# Altium PCB board_layout.pcbdoc (part 2 of 3)
Units mm, origin at the board's own origin, x right, y up, seen from the top; angles counter-clockwise.
Board outline 92.15 x 89.13 mm, 2 copper layers (Top Layer, Bottom Layer), stack 1.59 mm thick; 164 components, 134 nets, 736 pads, 476 vias.
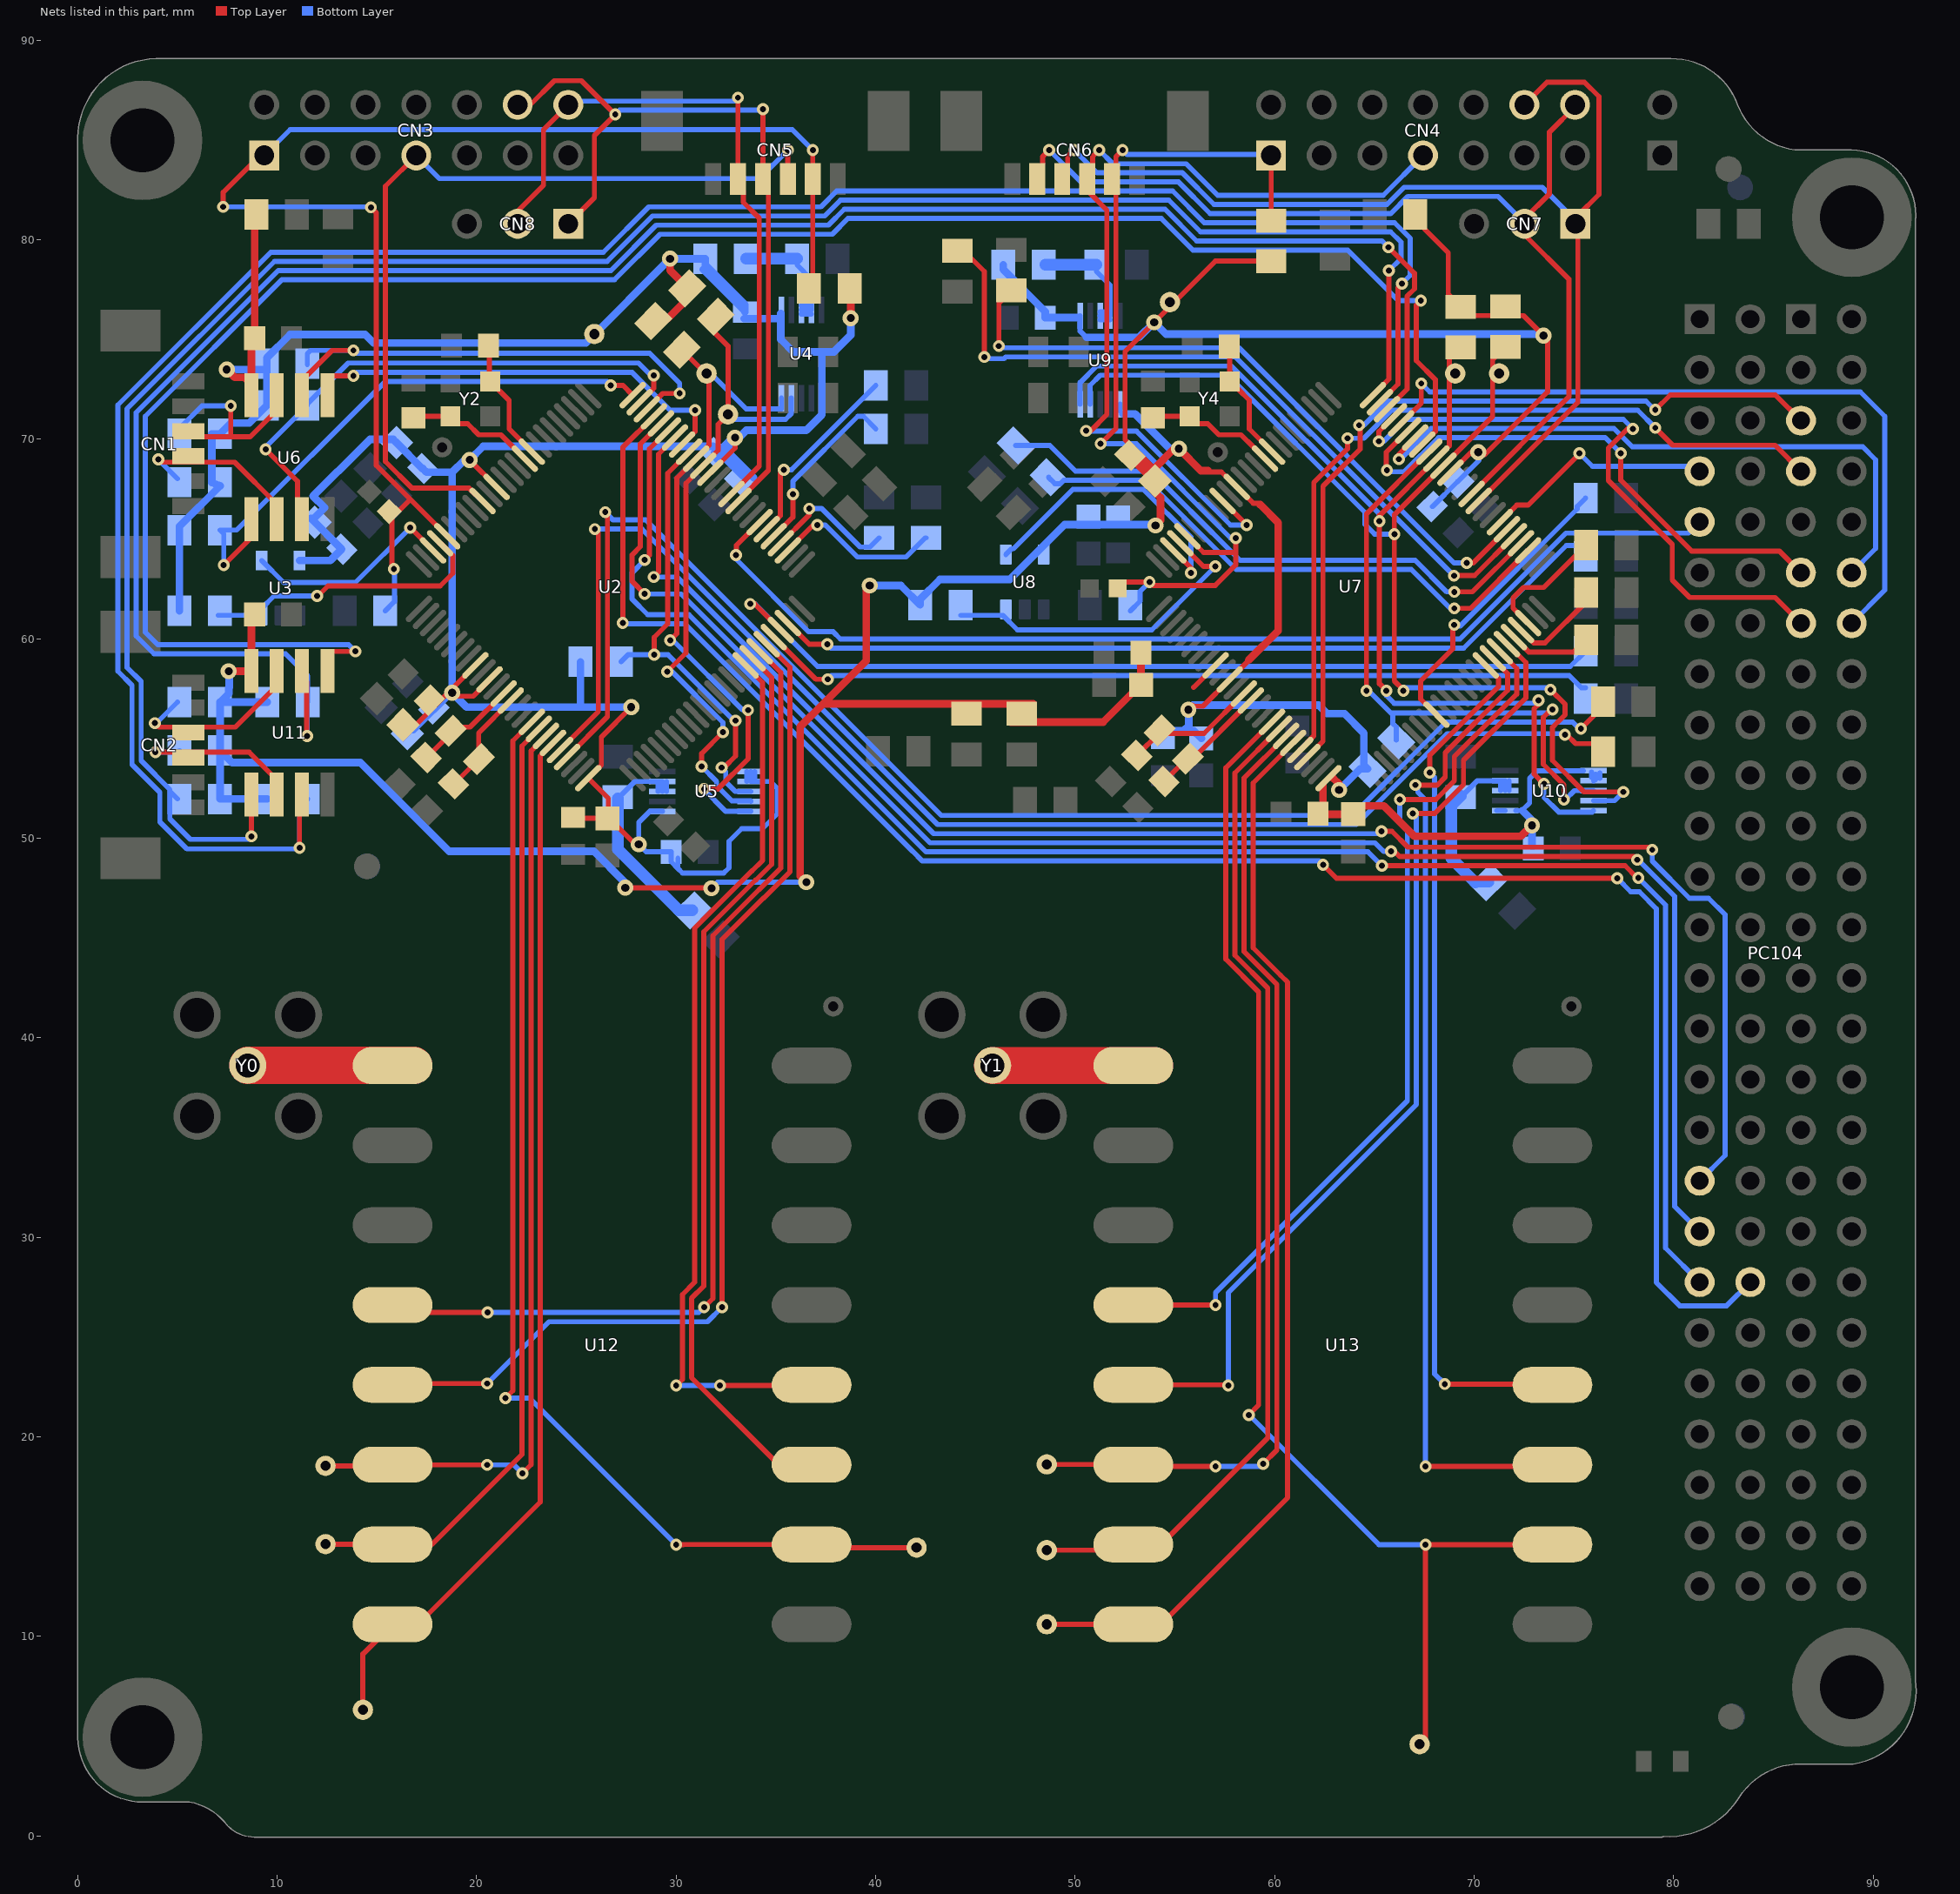
[diagram p2: the nets of this part, all layers, seen from the top]

## Via types
v1: diameter 0.8, hole 0.4, Top Layer to Bottom Layer, tented both sides, 278 vias
v2: diameter 0.6, hole 0.3, Top Layer to Bottom Layer, tented both sides, 181 vias
v3: diameter 1.2, hole 0.6, Top Layer to Bottom Layer, tented both sides, 10 vias
v4: diameter 0.8, hole 0.4, Top Layer to Bottom Layer, 5 vias
v5: diameter 1.016, hole 0.508, Top Layer to Bottom Layer, 1 vias
v6: diameter 0.8, hole 0.4, Top Layer to Bottom Layer, tented top, 1 vias

## Nets (pads, with @x,y where several pads share a name; then routed paths per layer and width w, separated by ;. In a path a pad name is that pad's centre, name@x,y a point inside that pad or via, vN(x,y) a via of type N, cw(c..) or ccw(c..) an arc to the next point about the centre after c; other vN are vias at no path point) (continued)
RA_0_I2C_ANT_EN: R13.1 U2.75 U6.1 | length 28.7
  Top Layer w0.254: v2(7.325,63.7) 8.71,65.085 U6.1@8.71,65.997 ; v2(26.725,72.7) 27.336,72.7 U2.75@27.824,72.213
  Bottom Layer w0.254: v2(7.325,63.7) 7.325,65.266 R13.1@7.141,65.45 7.975,65.45 15.416,72.891 26.534,72.891 v2(26.725,72.7)
RA_0_I2C_ANT_READY: U2.68 U6.5 | length 22.1
  Top Layer w0.254: U6.5@12.52,72.202 12.52,72.952 12.743,73.175 v2(13.826,73.175) ; U2.68@30.298,69.738 30.952,70.391 v2(30.952,71.453)
  Bottom Layer w0.254: v2(13.826,73.175) 13.999,73.348 27.802,73.348 29.697,71.453 v2(30.952,71.453)
RA_0_I2C_ANT_SCL: R14.1 U2.74 U6.3 | length 27.5
  Top Layer w0.254: v2(9.425,69.5) 11.027,67.898 11.027,66.22 U6.3@11.25,65.997 ; U2.74@28.177,71.859 28.875,72.557 v2(28.875,73.2)
  Bottom Layer w0.254: v2(9.425,69.5) 9.425,69.609 R14.1@11.516,71.7 11.516,71.775 13.565,73.823 28.115,73.823 28.738,73.2 v2(28.875,73.2)
RA_0_I2C_ANT_SCL_BUF: CN1.4 R15.1 U6.2 | length 9
  Top Layer w0.254: v2(4.05,69) 4.2,68.85 7.877,68.85 9.98,66.747 U6.2@9.98,65.997
  Bottom Layer w0.254: v2(4.05,69) 4.05,68.984 R15.1@5.009,68.025
RA_0_I2C_ANT_SDA: R16.1 U2.73 U6.6 | length 26.4
  Top Layer w0.254: U6.6@11.25,72.202 11.25,72.952 12.751,74.454 v2(13.826,74.454) ; U2.73@28.531,71.506 29.325,72.3 v2(30.175,72.3)
  Bottom Layer w0.254: R16.1@11.516,73.75 R16.1@11.516,73.8 11.516,74.291 11.679,74.454 v2(13.826,74.454) 13.969,74.311 28.671,74.311 30.175,72.807 v2(30.175,72.3)
RA_0_I2C_ANT_SDA_BUF: CN1.3 R17.1 U6.7 | length 10.6
  Top Layer w0.254: CN1.3@5.55,70.402 5.827,70.125 7.675,70.125 ; v2(7.675,71.675) 7.675,70.125 ; U6.7@9.98,72.202 9.98,71.452 8.652,70.125 7.675,70.125
  Bottom Layer w0.254: R17.1@5.009,70.45 6.234,71.675 v2(7.675,71.675)
RA_0_I2C_SENSE_SCL: R10.1 TP4.1 U2.66 U4.5 U5.5 | length 34.8
  Top Layer w0.254: v2(29.701,59.928) 30.036,60.262 30.036,68.061 U2.66@31.006,69.031 31.006,69.059 31.645,69.698 31.645,72.895 31.875,73.125 31.646,73.125 R10.1@30.286,74.486 ; v2(31.4,52.475) 32.091,52.475 33.605,53.989 33.605,56.424 v2(33.603,56.426)
  Bottom Layer w0.254: v2(29.701,59.928) 29.838,59.928 33.318,56.449 33.626,56.449 v2(33.603,56.426) ; v2(31.4,52.475) 31.363,52.475 32.488,51.35 U5.5@33.738,51.35 ; TP4.1@31.525,73.3 31.735,73.3 33.51,71.525 35.275,71.525 U4.5@35.275,72.062
RA_0_I2C_SENSE_SDA: R9.1 TP3.1 U2.65 U4.4 U5.4 | length 33.3
  Top Layer w0.254: v2(29.551,58.353) 30.493,59.294 30.493,67.799 31.359,68.665 U2.65@31.359,68.677 31.359,68.705 32.102,69.448 32.102,70.752 TP3.1@32.6,71.25 32.6,74.675 31.925,75.35 31.925,75.425 R9.1@32.336,75.835 ; v2(31.275,53.6) 31.275,54.25 v2(32.35,55.325)
  Bottom Layer w0.254: v2(29.551,58.353) 29.674,58.475 32.345,55.804 32.345,55.33 v2(32.35,55.325) ; v2(31.275,53.6) 32.03,52.845 32.03,52.641 32.791,51.88 33.738,51.88 U5.4@33.738,51.85 ; TP3.1@32.6,71.25 32.85,71 35.484,71 35.775,71.291 U4.4@35.775,72.062 ; TP3.1@32.7,71.425 TP3.1@32.738,71.388
RA_0_JTAG_TCK: CN3.7 CN5.3 U2.91 | length 43.2
  Top Layer w0.254: CN3.7@16.975,84.225 15.432,82.682 15.432,68.881 16.764,67.549 19.626,67.549 20.265,66.909 U2.91@20.293,66.909 ; CN5.3@35.6,82.7 CN5.3@35.6,83.05 v2(35.6,84.5)
  Bottom Layer w0.254: CN3.7@16.975,84.225 18.133,83.067 34.167,83.067 v2(35.6,84.5)
RA_0_JTAG_TDO_TDI: C6.2 CN3.1 CN5.2 R1.1 R8.1 U2.96 | length 70.4
  Top Layer w0.254: v2(7.3,81.65) 7.3,82.375 9.125,84.2 CN3.1@9.33,84.2 ; v2(14.7,81.625) 14.975,81.35 14.975,68.692 16.675,66.992 ; v2(15.85,63.5) 15.925,63.5 15.75,63.675 15.75,66.067 16.675,66.992 ; U2.96@18.525,65.142 16.675,66.992 ; v2(36.85,84.5) CN5.2@36.85,83.05 36.85,78.093 R1.1@37.016,77.928
  Bottom Layer w0.254: v2(7.3,81.65) 14.675,81.65 v2(14.7,81.625) ; CN3.1@9.355,84.225 10.655,85.525 35.825,85.525 v2(36.85,84.5) ; R8.1@15.416,61.4 15.888,61.872 15.888,63.462 v2(15.85,63.5)
RA_0_MR_WDOG: R7.2 U2.97 U3.3 | length 14.6
  Top Layer w0.254: v2@12.025,62.125 12.55,62.65 18.175,62.65 18.811,63.286 18.811,64.177 18.214,64.774 18.158,64.774 U2.97@18.172,64.788
  Bottom Layer w0.254: R7.2@7.041,61.175 U3.3@9.225,61.175 9.225,61.525 9.85,62.15 v2(12,62.15)
RA_0_PC104_ADD_GPIO3: J_P14.1 U2.46 | length 41.9
  Top Layer w0.254: U2.46@34.895,60.086 37.005,57.975 v2(37.6,57.975)
  Bottom Layer w0.254: v2(37.6,57.975) 37.786,58.161 74.764,58.161 75.375,57.55 J_P14.1@75.584,57.55
RA_0_PC104_ADD_GPIO4: J_P9.1 U2.47 | length 46.1
  Top Layer w0.254: v2(33.712,61.75) 33.938,61.75 U2.47@35.248,60.439
  Bottom Layer w0.254: v2(33.712,61.75) 33.957,61.75 37.089,58.618 74.818,58.618 75.584,59.384 J_P9.1@75.584,59.925
RA_0_PC104_ADD_GPIO5: J_P10.1 U2.48 | length 42.6
  Top Layer w0.254: U2.48@35.602,60.793 36.67,59.725 v2(37.575,59.725)
  Bottom Layer w0.254: v2(37.575,59.725) 37.575,59.71 37.753,59.532 69.478,59.532 74.621,64.675 J_P10.1@75.584,64.675
RA_0_RADIO_DOWNLINK_LED: R5.2 U2.56 | length 9.7
  Top Layer w0.254: U2.56@34.541,65.495 35.22,66.174 35.22,68.295 v2(35.4,68.475)
  Bottom Layer w0.254: v2(35.4,68.475) 35.784,68.475 R5.2@40.009,72.7
RA_0_RADIO_GPIO0: U2.44 U12.13 | length 50.8
  Top Layer w0.254: U12.13@15.79,26.61 16.163,26.237 v2(20.55,26.237) ; v2(31.4,26.5) 31.843,26.943 31.843,45.125 34.173,47.456 34.19,47.456 35.243,48.509 35.243,58.311 34.188,59.366 U2.44@34.188,59.379
  Bottom Layer w0.254: v2(20.55,26.237) 31.137,26.237 v2(31.4,26.5)
RA_0_RADIO_GPIO1: U2.45 U12.12 | length 53.3
  Top Layer w0.254: U12.12@15.79,22.61 15.855,22.675 v2(20.525,22.675) ; v2(32.3,26.5) 32.3,44.936 34.363,46.999 34.379,46.999 35.7,48.32 35.7,58.573 U2.45@34.541,59.732
  Bottom Layer w0.254: v2(20.525,22.675) 23.625,25.775 31.575,25.775 v2(32.3,26.5)
RA_0_RADIO_GPIO2: U2.43 U12.6 | length 44.2
  Top Layer w0.254: U2.43@33.834,59.025 33.834,59.013 34.786,58.061 34.786,48.698 34,47.913 33.984,47.913 31.386,45.315 31.386,27.561 30.77,26.945 30.77,22.975 U12.6@35.105,18.64
RA_0_RADIO_GPIO3: U2.42 U12.5 | length 45
  Top Layer w0.254: v2(30.004,22.575) 30.313,22.884 30.313,27.138 30.929,27.754 30.929,45.504 33.795,48.37 33.811,48.37 34.329,48.888 34.329,57.811 33.48,58.659 U2.42@33.48,58.672 ; v2(32.2,22.575) 36.755,22.575 U12.5@36.79,22.61
  Bottom Layer w0.254: v2(30.004,22.575) v2(32.2,22.575)
RA_0_RADIO_UPLINK_LED: R4.2 U2.55 | length 8.9
  Top Layer w0.254: U2.55@34.895,65.142 35.85,66.097 v2(35.85,67.25)
  Bottom Layer w0.254: v2(35.85,67.25) 35.85,67.895 39.105,71.15 39.384,71.15 R4.2@40.009,70.525
RA_0_RF_SIGNAL: U12.16 Y0.1 | length 8.3
  Top Layer w1.86: Y0.1@8.53,38.625 U12.16@16.85,38.625
RA_0_SENSE_ALERT: R11.1 U2.67 U5.3 | length 23.1
  Top Layer w0.254: v2(28.9,59.2) 28.9,60.075 29.579,60.754 29.579,68.299 30.652,69.372 U2.67@30.652,69.384 ; v2(32.275,53.55) 32.4,53.55 32.98,54.13 32.98,55.895 v2(32.975,55.9)
  Bottom Layer w0.254: R11.1@27.237,58.85 27.587,59.2 v2(28.9,59.2) 29.596,59.2 32.894,55.902 32.973,55.902 v2(32.975,55.9) ; v2(32.275,53.55) 32.487,53.338 32.487,52.831 32.968,52.35 U5.3@33.738,52.35
RA_0_SENSE_VCC_OUT1: J_V2.2 RS1.1 U5.8 U5.9 | length 11.6
  Bottom Layer w0.254: RS1.1@27.075,52 27.925,52.85 U5.9@29.312,52.85 U5.8@29.312,52.35 ; U5.8@29.1,52.35 U5.9@29.1,52.85 ; U5.8@29.525,52.35 U5.9@29.525,52.85
  Bottom Layer w0.584: RS1.1@27.075,52 27.075,49.45 30.132,46.393 J_V2.2@30.807,46.393
RA_0_SENSE_VCC_OUT2: J_V0.2 RS2.1 U4.8 U4.9 | length 6.9
  Bottom Layer w0.254: RS2.1@36.059,79.05 36.059,78.741 36.775,78.025 U4.9@36.775,76.488 U4.8@36.275,76.488 ; U4.8@36.275,76.275 U4.9@36.775,76.275 ; U4.8@36.275,76.7 U4.9@36.775,76.7
  Bottom Layer w0.584: J_V0.2@33.5,79.05 RS2.1@36.059,79.05
RA_0_SPI_OBDH_CLK: PC104.H1-35 U2.69 | length 82.4
  Top Layer w0.254: v2(28.875,63.1) 29.122,63.347 29.122,69.256 29.945,70.079 U2.69@29.945,70.091 ; v2(65.35,50.35) 65.875,50.35 66.67,49.555 78.795,49.555 v2(78.925,49.425)
  Bottom Layer w0.254: v2(28.875,63.1) 30.046,63.1 42.91,50.236 65.236,50.236 v2(65.35,50.35) ; v2(78.925,49.425) 78.925,48.863 80.788,47 81.75,47 82.575,46.175 82.575,34.115 PC104.H1-35@81.3,32.84
RA_0_SPI_OBDH_CS: PC104.H1-40 U2.72 | length 93.2
  Top Layer w0.254: v2(27.325,60.8) 27.325,69.593 U2.72@28.884,71.152 ; v2(62.425,48.675) 63.1,48 v2(77.175,48)
  Bottom Layer w0.254: v2(27.325,60.8) 27.367,60.758 30.44,60.758 41.819,49.379 41.828,49.379 42.342,48.865 62.235,48.865 v2(62.425,48.675) ; v2(77.175,48) 77.85,47.325 78.279,47.325 79.136,46.468 79.136,27.739 80.3,26.575 82.655,26.575 PC104.H1-40@83.84,27.76
RA_0_SPI_OBDH_INT: PC104.H1-9 U2.57 | length 54.7
  Top Layer w0.254: v2@33.025,64.2 33.025,64.686 U2.57@34.188,65.849
  Bottom Layer w0.254: v2(33,64.2) 33,64 36.645,60.355 37.87,60.355 38.236,59.989 69.289,59.989 74.6,65.3 80.74,65.3 PC104.H1-9@81.3,65.86
RA_0_SPI_OBDH_MISO: PC104.H1-37 U2.71 | length 84.7
  Top Layer w0.254: v2(28.425,62.25) 27.795,62.88 27.795,64.211 28.208,64.624 28.208,69.769 U2.71@29.238,70.798 ; v2(65.828,49.352) 65.998,49.352 66.263,49.087 78.013,49.087 v2(78.175,48.925)
  Bottom Layer w0.254: v2(28.425,62.25) 28.427,62.248 30.252,62.248 42.721,49.779 65.03,49.779 65.456,49.352 v2(65.828,49.352) ; v2(78.175,48.925) 78.175,48.966 80.05,47.091 80.05,31.55 PC104.H1-37@81.3,30.3
RA_0_SPI_OBDH_MOSI: PC104.H1-39 U2.70 | length 87
  Top Layer w0.254: v2(28.425,63.95) 28.665,64.19 28.665,69.519 U2.70@29.591,70.445 ; v2(65.37,48.63) 77.56,48.63 78.165,48.025 v2(78.225,48.025)
  Bottom Layer w0.254: v2(28.425,63.95) 27.795,63.32 27.795,61.989 28.569,61.215 30.639,61.215 42.532,49.322 64.678,49.322 v2(65.37,48.63) ; v2(78.225,48.025) 79.593,46.657 79.593,29.467 PC104.H1-39@81.3,27.76
RA_0_SPI_RADIO_CLK: TP11.1 U2.20 U12.9 | length 53.1
  Top Layer w0.254: TP11.1@14.3,6.325 14.3,9.12 U12.9@15.79,10.61 17.06,10.61 23.189,16.739 23.189,54.131 23.828,54.77 U2.20@23.828,54.782
RA_0_SPI_RADIO_CS: TP12.1 U2.17 U12.7 | length 58.2
  Top Layer w0.254: v2(21.45,21.95) 21.818,22.318 21.818,54.894 U2.17@22.768,55.843 ; 30.35,14.6 30.129,14.6 30.139,14.61 U12.7@36.79,14.61 36.95,14.45 TP12.1@42.05,14.45
  Bottom Layer w0.254: v2(21.45,21.95) 22.654,21.95 v2(30.004,14.6)
RA_0_SPI_RADIO_MISO: TP9.1 U2.19 U12.11 | length 47.5
  Top Layer w0.254: TP9.1@12.425,18.55 15.73,18.55 U12.11@15.79,18.61 15.8,18.6 v2(20.525,18.6) ; v2(22.3,18.175) 22.732,18.607 22.732,19.032 22.732,54.381 23.475,55.124 U2.19@23.475,55.136
  Bottom Layer w0.254: v2(20.525,18.6) 21.875,18.6 v2(22.3,18.175)
RA_0_SPI_RADIO_MOSI: TP10.1 U2.18 U12.10 | length 48.4
  Top Layer w0.254: TP10.1@12.425,14.625 15.775,14.625 U12.10@15.79,14.61 17.76,14.61 22.275,19.125 22.275,54.631 23.121,55.477 U2.18@23.121,55.49
RA_0_SYSTEM_FAULT_LED: R3.2 U2.54 | length 6.8
  Top Layer w0.254: U2.54@35.248,64.788 36.675,66.215 v2(36.675,66.525)
  Bottom Layer w0.254: v2(36.675,66.525) 37.3,66.525 39.225,64.6 39.712,64.6 R3.2@40.171,65.059
RA_0_SYSTEM_LED: R2.2 U2.53 | length 8.5
  Top Layer w0.254: U2.53@35.602,64.434 36.87,65.703 v2(37.077,65.703)
  Bottom Layer w0.254: v2(37.077,65.703) 37.476,65.703 39.079,64.1 41.525,64.1 42.484,65.059 R2.2@42.525,65.059
RA_0_UART_ADD_RX: J_P4.2 U2.22 | length 72.2
  Top Layer w0.254: U2.22@24.536,54.075 26.555,56.095 26.555,66.245 v2(26.45,66.35) ; v2(75.35,55.5) 76.459,56.609 J_P4.2@76.459,56.85
  Bottom Layer w0.254: v2(26.45,66.35) 26.843,65.957 28.482,65.957 43.289,51.15 63.904,51.15 68.578,55.824 73.666,55.824 73.668,55.823 74.932,55.823 75.255,55.5 v2(75.35,55.5)
RA_0_UART_ADD_TX: J_P5.2 U2.21 | length 70.9
  Top Layer w0.254: U2.21@24.182,54.429 26.098,56.345 26.098,65.327 v2(25.925,65.5) ; v2(74.547,55.192) 74.643,55.192 75.085,54.75 76.059,54.75 J_P5.2@76.459,54.35
  Bottom Layer w0.254: v2(25.925,65.5) 28.293,65.5 43.1,50.693 64.093,50.693 68.648,55.248 74.507,55.248 74.547,55.208 v2(74.547,55.192)
RA_0_UART_DEBUG_RX: CN3.14 CN5.5 CN8.2 U2.61 | length 37
  Top Layer w0.254: CN8.2@22.055,80.8 22.055,81.43 23.35,82.725 23.35,85.52 CN3.14@24.595,86.765 ; U2.61@32.773,67.263 34.168,68.658 34.168,81.082 33.375,81.875 33.375,82.425 33.1,82.7 CN5.5@33.1,83.05 v2(33.1,87.125)
  Bottom Layer w0.254: CN3.14@24.595,86.765 24.86,86.5 24.86,86.952 32.927,86.952 v2(33.1,87.125)
RA_0_UART_DEBUG_TX: CN3.12 CN5.4 CN8.1 U2.60 | length 40.4
  Top Layer w0.254: CN3.12@22.055,86.765 22.69,86.765 23.9,87.975 25.253,87.975 v2(26.95,86.278) 25.9,85.228 25.9,82.105 CN8.1@24.595,80.8 ; U2.60@33.127,66.909 33.127,66.937 34.625,68.435 34.625,82.425 34.35,82.7 v2(34.35,86.55)
  Bottom Layer w0.254: v2(26.95,86.278) 27.167,86.495 34.295,86.495 v2(34.35,86.55)
RA_0_VREF_MCU: C7.1 C8.1 C9.1 C10.1 C11.1 C12.1 C13.1 C14.1 C15.1 C16.1 C17.1 C18.1 C19.1 C20.1 C21.1 J_V0.1 R1.2 R6.2 R7.1 R9.2 R10.2 R11.2 R13.2 R14.2 R15.2 R16.2 R17.2 TP2.1 U2.9 U2.11 U2.25 U2.64 U2.89 U3.5 U4.1 U4.6 U5.1 U5.2 U5.6 U6.8 | length 180.5
  Top Layer w0.254: C7.1@16.308,55.692 16.96,55.692 18.568,57.3 v1(18.775,57.3) ; v1(19.65,68.966) U2.89@21,67.616 ; U2.9@19.939,58.672 18.775,57.507 v1(18.775,57.3) ; U2.11@20.646,57.964 20.646,57.936 19.835,57.125 18.95,57.125 v1(18.775,57.3) ; C12.1@24.825,51.05 24.87,51.005 C11.1@26.55,51.005 ; v1(27.75,56.575) 26.25,55.075 26.25,53.669 U2.25@25.596,53.015 26.6,52.011 26.6,50.9 26.975,50.525 27.125,50.525 27.95,49.7 v1(28.125,49.7) ; U2.64@31.713,68.324 32.952,69.563 v1(32.952,70.078) ; R1.2@38.691,77.571 R1.2@38.75,77.512
  Top Layer w0.381: v1(7.475,73.5) 7.875,73.1 8.375,73.1 U6.8@8.71,72.765 ; U6.8@8.71,72.202 U6.8@8.71,72.765 ; R6.2@8.959,81.275 8.875,81.191 C21.1@8.875,75.075 8.71,74.91 U6.8@8.71,72.765 ; R10.2@29.199,76.048 29.573,76.048 30.848,77.323 29.7,78.471 v1(29.7,79.05) ; v1(38.75,76.075) R1.2@38.75,77.512
  Bottom Layer w0.254: 25.175,56.575 25.205,56.605 ; U5.6@29.312,51.35 28.675,51.35 28.125,50.8 v1(28.125,49.7) 28.5,49.325 C20.1@29.75,49.325 29.75,48.825 30.087,48.488 ; C20.1@30.087,49 30.087,48.488 ; U5.2@33.538,52.85 U5.1@33.538,53.35 ; U5.1@33.738,53.35 U5.2@33.738,52.85 U5.2@33.938,52.85 ; U5.1@33.938,53.35 U5.2@33.938,52.85 ; 30.087,48.488 30.318,48.257 32.382,48.257 32.65,48.525 32.65,49.85 33.28,50.48 34.33,50.48 35.075,51.225 35.075,52.5 34.725,52.85 U5.2@33.938,52.85
  Bottom Layer w0.381: R7.1@5.109,61.4 R13.2@5.109,65.45 5.109,65.634 7.141,67.666 7.077,67.692 6.725,67.836 6.725,70.275 R17.2@7.141,70.275 7.684,70.818 8.602,70.818 R14.2@9.484,71.7 R16.2@9.484,73.525 ; v1(7.475,73.5) 9.459,73.5 R16.2@9.484,73.525 ; U3.5@11.125,63.925 12.668,63.925 13.239,64.496 11.7,66.035 11.85,66.035 12.388,66.572 11.802,67.158 13.045,68.4 13.064,68.4 14.657,69.993 15.822,69.993 C13.1@15.983,69.833 17.276,68.539 C14.1@17.306,68.539 17.494,68.35 18.775,68.35 ; C9.1@16.758,55.442 16.826,55.442 v1@18.775,57.392 ; 25.205,56.605 R11.2@25.205,58.85 ; v1(27.75,56.575) 25.175,56.575 19.5,56.575 v1(18.775,57.3) v1@18.775,57.392 ; J_V0.1@31.368,78.507 C19.1@33.35,76.525 ; C16.1@31.929,69.329 32.054,69.454 31.858,69.65 20.334,69.65 v1(19.65,68.966) 19.391,68.966 18.775,68.35 ; C16.1@32.061,69.454 32.061,69.002 32.287,69.228 C15.1@33.358,68.158 ; C16.1@32.283,69.524 v1@32.727,69.968 ; C19.1@33.4,76.05 35.112,76.05 ; C19.1@33.45,76.375 33.45,76.75 31.468,78.732 J_V0.1@31.468,79.05 v1(29.7,79.05) 25.481,74.831 14.837,74.831 14.418,75.25 10.65,75.25 9.484,74.084 R16.2@9.484,73.8 R16.2@9.484,73.525 ; C15.1@33.878,68.078 33.578,68.378 32.508,69.449 33.509,70.45 36.524,70.45 37.308,71.235 37.308,74.375 ; U4.6@35.242,76.295 35.242,75.008 35.875,74.375 37.308,74.375 ; v1(38.75,76.075) 38.75,75.225 37.9,74.375 37.308,74.375 ; v1@18.775,57.392 18.775,68.35
RA_0_WDI_EXT: U2.98 U3.4 | length 10.7
  Top Layer w0.254: v2(16.675,65.575) 16.678,65.575 U2.98@17.818,64.434
  Bottom Layer w0.254: U3.4@9.225,63.925 10.325,62.825 13.925,62.825 v2(16.675,65.575)
RA_0_XIN: C4.2 U2.13 Y3.1 | length 4.7
  Top Layer w0.254: C4.2@17.669,54.229 Y3.1@18.901,55.462 ; Y3.1@19.201,55.412 19.365,55.575 19.671,55.575 U2.13@21.354,57.257
RA_0_XOUT: C5.2 U2.14 Y3.2 | length 5.7
  Top Layer w0.254: C5.2@19.044,52.904 Y3.2@20.233,54.093 ; Y3.2@20.283,54.143 Y3.2@20.233,54.093 ; Y3.2@20.583,54.093 Y3.2@20.233,54.093 ; U2.14@21.707,56.904 21.707,56.891 20.1,55.284 20.1,54.093 Y3.2@20.233,54.093
RA_0_XT2IN: C2.1 U2.84 Y2.1 | length 6.2
  Top Layer w0.254: C2.1@20.615,74.65 20.64,74.625 20.64,72.935 21.63,71.945 21.63,70.522 U2.84@22.768,69.384
RA_0_XT2OUT: C3.1 U2.85 Y2.3 | length 6.4
  Top Layer w0.254: C3.1@16.89,71.15 18.64,71.15 19.013,70.777 19.546,70.777 20.098,70.225 21.215,70.225 22.409,69.031 U2.85@22.414,69.031
RA_1_ENABLE: J_P7.1 U7.35 | length 14.5
  Top Layer w0.254: U7.35@68.105,56.197 67.315,56.986 67.315,57.89 68.925,59.5 v2@68.925,60.5
  Bottom Layer w0.254: v2@69.062,60.638 69.291,60.638 75.167,66.513 75.167,66.633 J_P7.1@75.584,67.05
  other v2: 69,60.7
RA_1_I2C_ANT_EN: R30.1 U7.75 U11.1 | length 106
  Top Layer w0.254: v2(8.71,50.1) U11.1@8.71,52.192 ; U7.75@64.923,72.213 65.728,73.018 v2(65.728,78.454)
  Bottom Layer w0.254: R30.1@5.009,51.974 R30.1@4.625,52.358 ; v2(8.71,50.1) 8.56,49.95 5.646,49.95 4.625,50.971 R30.1@4.625,52.358 ; v2(65.728,78.454) 66.33,79.056 66.33,79.886 65.816,80.4 56.279,80.4 54.694,81.985 38.238,81.985 37.447,81.193 28.814,81.193 26.539,78.918 9.869,78.918 2.481,71.53 2.481,58.565 3.183,57.863 3.183,53.892 4.625,52.45 R30.1@4.625,52.358
RA_1_I2C_ANT_READY: U7.68 U11.5 | length 101.7
  Top Layer w0.254: U11.5@12.52,58.397 12.52,59.195 12.697,59.372 v2(13.922,59.372) ; v2(67.328,76.954) 67.099,76.725 67.099,73.942 68.05,72.991 68.05,70.39 U7.68@67.397,69.738
  Bottom Layer w0.254: v2(13.922,59.372) 13.587,59.707 4.018,59.707 3.395,60.33 3.395,71.151 10.248,78.004 26.918,78.004 29.193,80.279 37.825,80.279 38.617,81.071 54.316,81.071 55.9,79.486 63.664,79.486 66.196,76.954 v2(67.328,76.954)
RA_1_I2C_ANT_SCL: R31.1 U7.74 U11.3 | length 113.7
  Top Layer w0.254: v2(11.125,49.525) 11.125,52.067 U11.3@11.25,52.192 ; U7.74@65.276,71.859 66.185,72.768 66.185,77.61 v2(66.375,77.8)
  Bottom Layer w0.254: R31.1@11.532,51.974 11.125,51.567 v2(11.125,49.525) 11.07,49.47 5.48,49.47 4.125,50.825 4.125,52.304 2.726,53.702 2.726,57.674 2.024,58.376 2.024,71.719 9.68,79.375 26.35,79.375 28.625,81.65 37.257,81.65 38.049,82.442 54.883,82.442 56.468,80.857 66.006,80.857 66.787,80.075 66.787,78.212 v2(66.375,77.8)
RA_1_I2C_ANT_SCL_BUF: CN2.4 R32.1 U11.2 | length 8.6
  Top Layer w0.254: v2(3.9,54.325) 8.597,54.325 9.98,52.942 U11.2@9.98,52.192
  Bottom Layer w0.254: v2(3.9,54.325) 5.034,54.325 R32.1@5.109,54.4
RA_1_I2C_ANT_SDA: R33.1 U7.73 U11.6 | length 104
  Top Layer w0.254: U11.6@11.25,58.397 11.25,58.075 11.475,57.85 11.475,55.15 v2(11.5,55.125) ; U7.73@65.63,71.506 66.642,72.518 66.642,77.176 67.005,77.539 67.005,78.32 v2(65.7,79.625)
  Bottom Layer w0.254: v2(11.5,55.125) 11.5,56.792 R33.1@11.532,56.824 11.532,58.143 10.425,59.25 3.829,59.25 2.938,60.141 2.938,71.34 10.058,78.461 26.729,78.461 29.004,80.736 37.636,80.736 38.428,81.528 54.505,81.528 56.089,79.943 65.382,79.943 v2(65.7,79.625)
RA_1_I2C_ANT_SDA_BUF: CN2.3 R34.1 U11.7 | length 9.5
  Top Layer w0.254: v2(3.875,55.775) 4.075,55.575 7.908,55.575 9.98,57.647 U11.7@9.98,58.397
  Bottom Layer w0.254: v2(3.875,55.775) 3.875,55.69 R34.1@5.009,56.824
RA_1_I2C_SENSE_SCL: R27.1 TP8.1 U7.66 U9.5 U10.5 | length 55
  Top Layer w0.254: v2(65.6,57.4) 65.25,57.75 v2(65.25,65.9) 65.25,66.176 U7.66@68.105,69.031 68.75,69.676 68.75,74.034 R27.1@69.325,74.609 ; v2(73.22,56.911) 73.22,56.788 73.254,56.755 73.003,56.504 73.003,53.222 v2(73.5,52.725)
  Bottom Layer w0.254: U9.5@50.25,71.762 50.25,72.846 51.074,73.67 57.834,73.67 65.25,66.254 v2(65.25,65.9) ; v2(65.6,57.4) 65.6,57.155 65.985,56.77 68.067,56.77 68.075,56.778 73.1,56.778 73.108,56.77 73.146,56.77 73.22,56.844 v2(73.22,56.911) ; v2(73.5,52.725) 73.5,52.059 74.239,51.32 75.913,51.32 U10.5@75.983,51.39
RA_1_I2C_SENSE_SDA: R26.1 TP7.1 U7.65 U9.4 U10.4 | length 57.3
  Top Layer w0.254: v2(66.45,57.4) 66.45,57.441 66,57.891 v2(66,65.25) 66,66.219 U7.65@68.458,68.677 70.925,71.144 70.925,73.984 R26.1@71.575,74.634 ; v2(73.825,57.45) 74.559,56.716 74.559,56.192 74.19,55.823 74.181,55.823 73.917,55.558 73.917,53.905 75.496,52.325 v2(77.475,52.325)
  Bottom Layer w0.254: U9.4@50.75,71.762 50.75,72.7 51.263,73.213 57.645,73.213 64.525,66.332 64.525,65.734 65.009,65.25 v2(66,65.25) ; v2(66.45,57.4) 66.592,57.542 73.733,57.542 v2(73.825,57.45) ; U10.4@75.983,51.89 77.04,51.89 v2(77.475,52.325)
RA_1_JTAG_TCK: CN4.7 CN6.3 U7.91 | length 45
  Top Layer w0.254: v2(50.55,70.425) 50.775,70.425 51.586,71.236 51.586,81.489 50.6,82.475 50.6,82.7 50.875,82.975 50.875,84.175 v2(51.2,84.5) ; U7.91@57.392,66.909 v2(58.6,65.701)
  Bottom Layer w0.254: v2(50.55,70.425) 50.57,70.405 53.081,70.405 57.785,65.701 v2(58.6,65.701) ; v2(51.2,84.5) 51.887,83.813 55.562,83.813 57.147,82.228 65.438,82.228 CN4.7@67.435,84.225
RA_1_JTAG_TDO_TDI: C35.2 CN4.1 CN6.2 R18.1 R25.1 U7.96 | length 47.2
  Top Layer w0.254: v2(51.275,69.775) 52.043,70.543 52.043,84.168 v2(52.375,84.5) ; C35.2@52.15,62.575 52.425,62.85 v2(53.725,62.85) 53.905,62.67 57.02,62.67 58.053,63.703 58.053,64.328 ; U7.96@55.624,65.142 56.438,64.328 58.053,64.328 ; v2(58.053,65.053) 58.053,64.328 ; CN4.1@59.815,84.225 59.827,84.213 R18.1@59.827,80.961
  Bottom Layer w0.254: v2(51.275,69.775) 53.065,69.775 57.787,65.053 v2(58.053,65.053) ; v2(52.375,84.5) 52.593,84.282 59.758,84.282 CN4.1@59.815,84.225 ; R25.1@52.766,61.4 53.25,61.884 53.25,62.375 v2(53.725,62.85)
RA_1_MR_WDOG: R24.2 U7.97 U8.3 | length 16.6
  Top Layer w0.254: U7.97@55.271,64.788 56.431,63.628 v2(57.028,63.628)
  Bottom Layer w0.254: R24.2@44.266,61.175 46.375,61.175 47.104,60.446 53.846,60.446 v2(57.028,63.628)
RA_1_PC104_ADD_GPIO0: J_P11.1 U7.48 | length 6.3
  Top Layer w0.254: U7.48@72.701,60.793 71.952,61.542 71.952,62.052 72.475,62.575 73.484,62.575 J_P11.1@75.609,64.7
RA_1_PC104_ADD_GPIO1: J_P12.1 U7.47 | length 4.8
  Top Layer w0.254: U7.47@72.347,60.439 72.987,59.8 73.55,59.8 75.609,61.859 J_P12.1@75.609,62.325
RA_1_PC104_ADD_GPIO2: J_P13.1 U7.46 | length 4.2
  Top Layer w0.254: U7.46@71.994,60.086 72.736,59.343 75.002,59.343 J_P13.1@75.609,59.95
RA_1_RADIO_DOWNLINK_LED: R22.2 U7.56 | length 33.7
  Top Layer w0.254: v2(46.175,74.675) 46.175,76.834 R22.2@46.8,77.459 ; v2(69.625,63.8) 69.945,63.8 U7.56@71.64,65.495
  Bottom Layer w0.254: v2(46.175,74.675) 46.266,74.584 58.212,74.584 68.996,63.8 v2(69.625,63.8)
RA_1_RADIO_GPIO0: U7.44 U13.13 | length 44.8
  Top Layer w0.254: U13.13@52.92,26.61 v2(57.035,26.61) ; v2(66.275,51.95) 68.077,51.95 69.007,52.88 69.007,54.102 72.133,57.228 72.133,58.504 71.279,59.358 U7.44@71.287,59.366
  Bottom Layer w0.254: v2(57.035,26.61) 57.035,27.235 66.647,36.847 66.647,50.478 66.275,50.85 v2(66.275,51.95)
RA_1_RADIO_GPIO1: U7.45 U13.12 | length 49.3
  Top Layer w0.254: U13.12@52.92,22.61 57.64,22.61 v2(57.673,22.577) ; v2(66.925,51.25) 68.023,51.25 69.464,52.691 69.464,53.913 72.59,57.039 72.59,58.811 71.668,59.732 U7.45@71.64,59.732
  Bottom Layer w0.254: v2(57.673,22.577) 57.673,27.227 67.104,36.658 67.104,51.071 v2(66.925,51.25)
RA_1_RADIO_GPIO2: U7.43 U13.6 | length 49.7
  Top Layer w0.254: v2(67.05,52.675) 67.055,52.67 68.151,52.67 68.55,53.069 68.55,54.291 71.676,57.417 71.676,58.254 70.931,58.999 U7.43@70.945,59.013 ; v2(67.561,18.525) 73.835,18.525 U13.6@73.92,18.61
  Bottom Layer w0.254: v2@67.175,52.45 67.175,52.313 67.561,51.926 v2(67.561,18.525)
RA_1_RADIO_RST: U7.42 U13.5 | length 43.4
  Top Layer w0.254: v2(67.775,53.3) 67.775,54.163 71.219,57.606 71.219,58.02 U7.42@70.579,58.659 ; v2(68.525,22.65) 73.88,22.65 U13.5@73.92,22.61
  Bottom Layer w0.254: v2(67.775,53.3) 68.018,53.057 68.018,23.157 v2(68.525,22.65)
RA_1_RADIO_UPLINK_LED: R21.2 U7.55 | length 37.7
  Top Layer w0.254: R21.2@44.425,79.441 45.45,78.416 v2(45.45,74.125) ; v2(68.987,63.163) 68.995,63.17 70.022,63.17 U7.55@71.994,65.142
  Bottom Layer w0.254: v2(45.45,74.125) 45.53,74.045 46.436,74.045 46.518,74.127 58.023,74.127 v2(68.987,63.163)
RA_1_RF_SIGNAL: U13.16 Y1.1 | length 8.1
  Top Layer w1.86: Y1.1@45.86,38.62 U13.16@53.97,38.62
RA_1_SENSE_ALERT: R28.1 U7.67 U10.3 | length 31.5
  Top Layer w0.254: v2(64.6,57.4) 64.6,66.261 67.723,69.384 U7.67@67.751,69.384 ; v2(73.929,56.453) 73.843,56.453 73.46,56.07 73.46,53.715 74.5,52.675 v2(74.5,51.95)
  Bottom Layer w0.254: v2(64.6,57.4) 64.709,57.4 65.828,56.281 ; R28.1@66.093,54.918 66.093,55.582 65.925,55.75 65.925,56.184 65.828,56.281 ; v2(73.929,56.453) 73.757,56.281 65.828,56.281 ; v2(74.5,51.95) 74.579,51.95 75.019,52.39 U10.3@75.983,52.39
RA_1_SENSE_VCC_OUT1: J_V3.2 RS3.1 U10.8 U10.9 | length 9.9
  Bottom Layer w0.254: RS3.1@69.325,52.059 RS3.1@69.4,52.134 ; RS3.1@69.325,52.134 RS3.1@69.4,52.134 ; U10.8@71.325,52.39 U10.9@71.325,52.89 ; U10.8@71.556,52.39 U10.9@71.556,52.89 70.156,52.89 RS3.1@69.4,52.134 ; U10.8@71.75,52.39 U10.9@71.75,52.89
  Bottom Layer w0.508: J_V3.2@70.057,47.793 J_V3.2@70.741,47.793
  Bottom Layer w0.584: RS3.1@69.325,52.134 68.85,51.659 68.85,49 J_V3.2@70.057,47.793
RA_1_SENSE_VCC_OUT2: J_V1.2 RS4.1 U9.8 U9.9 | length 6.9
  Bottom Layer w0.254: RS4.1@51.059,78.75 51.059,78.416 51.75,77.725 U9.9@51.75,76.188 U9.8@51.25,76.188 ; U9.8@51.25,75.988 U9.9@51.75,75.988 ; U9.8@51.25,76.388 U9.9@51.75,76.388
  Bottom Layer w0.584: J_V1.2@48.5,78.75 RS4.1@51.059,78.75
RA_1_SPI_OBDH_CLK: PC104.H2-12 U7.69 | length 32.7
  Top Layer w0.254: v2@66.228,69.069 66.228,69.248 67.044,70.063 U7.69@67.044,70.091
  Bottom Layer w0.254: v2(66.228,69.003) 66.303,69.003 67.841,70.541 77.009,70.541 77.925,69.625 89.475,69.625 90.125,68.975 90.125,64.525 PC104.H2-12@88.92,63.32
RA_1_SPI_OBDH_CS: PC104.H2-13 U7.72 | length 31.9
  Top Layer w0.254: v2(65.225,69.9) 65.225,70.394 U7.72@65.983,71.152 ; v2(77.95,70.525) 77.684,70.525 76.72,69.561 76.72,67.934 79.925,64.729 79.925,62.95 80.8,62.075 85.085,62.075 PC104.H2-13@86.38,60.78
  Bottom Layer w0.254: v2(65.225,69.9) 65.475,69.9 66.572,70.998 77.477,70.998 v2(77.95,70.525)
RA_1_SPI_OBDH_INT: PC104.H1-7 U7.57 | length 11.8
  Top Layer w0.254: U7.57@71.287,65.849 72.138,66.7 72.7,66.7 75.25,69.25 v2@75.275,69.25
  Bottom Layer w0.254: v2(75.275,69.3) 75.925,68.65 81.05,68.65 PC104.H1-7@81.3,68.4
RA_1_SPI_OBDH_MISO: PC104.H2-14 U7.71 | length 37.4
  Top Layer w0.254: U7.71@66.364,70.798 U7.71@66.337,70.798 67.35,71.812 v2(67.35,72.8)
  Bottom Layer w0.254: v2(67.35,72.8) 67.775,72.375 89.357,72.375 90.582,71.15 90.582,62.442 PC104.H2-14@88.92,60.78
RA_1_SPI_OBDH_MOSI: PC104.H2-11 U7.70 | length 27.5
  Top Layer w0.254: v2(65.628,68.453) 65.598,68.484 65.598,69.353 U7.70@66.69,70.445 ; v2(77.35,69.3) 77.35,67.95 80.9,64.4 85.295,64.4 PC104.H2-11@86.375,63.32
  Bottom Layer w0.254: v2(65.628,68.453) 65.708,68.373 66.498,68.373 68.209,70.084 76.566,70.084 v2(77.35,69.3)
RA_1_SPI_RADIO_CLK: TP16.1 U7.20 U13.9 | length 54.1
  Top Layer w0.254: TP16.1@48.575,10.61 U13.9@52.92,10.61 54.31,10.61 60.65,16.95 60.65,42.789 60.3,43.139 58.925,44.514 58.925,52.774 U7.20@60.931,54.779
RA_1_SPI_RADIO_CS: TP17.1 U7.17 U13.7 | length 64.6
  Top Layer w0.254: v2(58.7,21.1) 59.196,21.596 59.196,42.304 57.554,43.946 57.554,53.537 U7.17@59.867,55.849 ; TP17.1@67.265,4.6 67.561,4.896 v2(67.561,14.6) 73.91,14.6 U13.7@73.92,14.61
  Bottom Layer w0.254: v2(58.7,21.1) 58.729,21.1 65.229,14.6 v2(67.561,14.6)
RA_1_SPI_RADIO_MISO: TP14.1 U7.19 U13.11 | length 49.3
  Top Layer w0.254: TP14.1@48.575,18.625 52.935,18.625 52.985,18.675 53.135,18.525 v2(57.035,18.525) ; v2(59.425,18.65) 60.11,19.335 60.11,42.682 58.468,44.325 58.468,53.024 60.574,55.13 U7.19@60.574,55.136 U7.19@60.574,55.142
  Bottom Layer w0.254: v2(57.035,18.525) 59.3,18.525 v2(59.425,18.65)
RA_1_SPI_RADIO_MOSI: TP15.1 U7.18 U13.10 | length 50.5
  Top Layer w0.254: TP15.1@48.575,14.325 52.84,14.325 53.125,14.61 54.31,14.61 59.653,19.953 59.653,42.493 58.011,44.135 58.011,53.274 60.22,55.483 U7.18@60.22,55.49 U7.18@60.22,55.496
RA_1_SYSTEM_FAULT_LED: R20.2 U7.54 | length 29.4
  Top Layer w0.254: v2(69.003,62.353) 69.912,62.353 U7.54@72.347,64.788
  Bottom Layer w0.254: R20.2@47.018,69.693 48.732,69.693 50.018,68.407 53.786,68.407 58.261,63.932 67.039,63.932 68.618,62.353 v2(69.003,62.353)
RA_1_SYSTEM_LED: R19.2 U7.53 | length 28.1
  Top Layer w0.254: v2(69.003,61.528) 69.822,61.528 72.673,64.378 72.673,64.434 U7.53@72.701,64.434
  Bottom Layer w0.254: R19.2@48.668,68.093 48.987,67.775 49.25,67.775 49.425,67.95 53.597,67.95 58.072,63.475 66.85,63.475 68.797,61.528 v2(69.003,61.528)
RA_1_UART_DEBUG_RX: CN4.14 CN6.5 CN7.2 U7.61 | length 51.7
  Top Layer w0.254: CN6.5@48.1,82.7 CN6.5@48.1,83.05 48.1,83.525 48.375,83.8 48.375,84.175 v2(48.7,84.5) ; U7.61@69.872,67.263 74.743,72.134 74.743,78.032 72.53,80.245 CN7.2@72.53,80.8 CN7.2@72.53,81.06 ; CN7.2@72.515,81.075 CN7.2@72.53,81.06 ; CN4.14@75.055,86.765 75.055,86.68 73.775,85.4 73.775,82.305 CN7.2@72.53,81.06
  Bottom Layer w0.254: v2(48.7,84.5) 50.301,82.899 55.184,82.899 56.768,81.314 65.817,81.314 66.678,82.175 71.2,82.175 72.53,80.845 CN7.2@72.53,80.8
RA_1_UART_DEBUG_TX: CN4.12 CN6.4 CN7.1 U7.60 | length 56.6
  Top Layer w0.254: CN6.4@49.35,82.7 49.625,82.975 49.625,84.175 v2(49.95,84.5) ; U7.60@70.226,66.909 70.226,66.937 70.282,66.937 75.2,71.855 75.2,81.22 76.25,82.27 76.25,87.175 75.525,87.9 73.65,87.9 CN4.12@72.515,86.765
  Bottom Layer w0.254: v2(49.95,84.5) 51.094,83.356 55.373,83.356 56.958,81.771 65.627,81.771 66.488,82.632 73.413,82.632 CN7.1@75.07,80.975
RA_1_UART_EPS_RX: PC104.H2-5 U7.22 | length 41.2
  Top Layer w0.254: U7.22@61.635,54.075 62.423,54.864 62.423,67.648 64.283,69.508 v2@64.283,70.534 ; v2(79.075,71.475) 79.825,72.225 85.095,72.225 PC104.H2-5@86.38,70.94
  Bottom Layer w0.254: v2(64.228,70.703) 64.473,70.703 65.688,71.918 78.607,71.918 v2@79.05,71.475
RA_1_UART_EPS_TX: PC104.H2-7 U7.21 | length 41.2
  Top Layer w0.254: U7.21@61.281,54.429 61.281,54.457 61.966,55.142 61.966,67.837 63.653,69.524 v2(63.653,70.053) ; v2(79.075,70.575) 79.95,69.7 85.08,69.7 PC104.H2-7@86.38,68.4
  Bottom Layer w0.254: v2(63.653,70.053) 64.469,70.053 65.871,71.455 78.195,71.455 v2(79.075,70.575)
RA_1_VREF_MCU: C36.1 C37.1 C38.1 C39.1 C40.1 C41.1 C42.1 C43.1 C44.1 C45.1 C46.1 C47.1 C48.1 C49.1 C50.1 J_V1.1 R18.2 R23.2 R24.1 R26.2 R27.2 R28.2 R30.2 R31.2 R32.2 R33.2 R34.2 TP6.1 U7.9 U7.11 U7.25 U7.64 U7.89 U8.5 U9.1 U9.6 U10.1 U10.2 U10.6 U11.8 V2.1 V4.1 | length 236.8
  Top Layer w0.254: v1(27.45,47.525) 31.375,47.525 ; C43.1@53.104,69.021 53.104,69.371 52.5,69.975 52.5,74.4 v1(53.963,75.863) 57.029,78.929 R18.2@59.827,78.929 ; C42.1@53.998,67.352 C42.1@53.998,67.916 ; v1(54.028,65.678) v1@54.275,65.926 ; v1@55.85,56.625 56.406,56.625 U7.11@57.745,57.964 58.697,58.916 58.697,58.928 ; 55.942,57.575 U7.9@57.038,58.672 U7.9@57.026,58.672 ; 56.65,68.425 56.716,68.359 57.328,68.359 U7.89@58.071,67.616 ; U7.89@58.099,67.616 58.927,66.788 59.212,66.788 59.275,66.725 ; U7.25@62.39,52.71 U7.25@62.695,53.015 62.935,53.015 ; R23.2@67.041,81.275 67.5,80.816 67.5,80.55 68.7,79.35 68.7,77.266 R27.2@69.325,76.641 ; U7.64@68.812,68.324 69.841,69.353 v1(70.203,69.353) 70.397,69.353 70.525,69.225 73.675,72.375 v1@73.675,75.2 ; R27.2@69.766,76.2 72.475,76.2 v1(73.475,75.2)
  Top Layer w0.381: v1(7.575,58.375) 8.556,58.375 8.572,58.391 8.638,58.325 U11.8@8.71,58.397 8.71,61.06 C50.1@8.875,61.225 ; v1(36.525,47.8) 36.22,48.105 36.22,55.595 37.369,56.744 ; v1(39.7,62.675) 39.525,62.5 39.525,58.9 37.369,56.744 ; V2.1@46.775,55.825 51.4,55.825 53.301,57.726 C39.1@53.301,59.304 ; V2.1@47.9,56.744 37.369,56.744 ; C42.1@53.998,67.352 54.275,67.075 v1@54.275,65.926 ; C42.1@53.998,67.916 53.998,68.127 53.998,68.573 54.95,69.525 v1(55.2,69.525) 56.3,68.425 56.65,68.425 ; v1(55.675,56.45) v1@55.85,56.625 ; 58.697,58.928 60.175,60.406 60.175,65.825 59.275,66.725 ; U7.25@62.421,52.679 62.421,51.473 C37.1@62.175,51.227 62.195,51.207 C36.1@63.936,51.207 64.354,51.625 65.475,51.625 67,50.1 72.346,50.1 v1(72.896,50.65) ; 62.935,53.015 63.225,52.725 v1(63.225,52.425)
  Top Layer w0.762: C43.1@53.104,69.021 C42.1@53.998,68.127
  Bottom Layer w0.254: v1(31.775,47.5) 32.075,47.8 v1(36.525,47.8) ; U9.6@50.25,76.188 50.25,75.418 50.563,75.104 ; U9.1@52.25,71.762 52.25,71.425 52.4,71.275 ; C45.1@67.896,66.629 67.914,66.629 C44.1@69.167,67.883 69.183,67.883 70.25,68.95 70.2,69 70.203,69.003 v1(70.203,69.353) ; U10.6@71.125,51.39 U10.6@71.556,51.39 ; U10.6@72.081,51.39 72.39,51.39 72.42,51.42 ; 72.42,51.387 72.42,51.42 ; C49.1@72.896,49.638 C49.1@72.959,49.575 ; v1(72.896,50.65) v1@72.896,50.911 ; U10.1@75.483,53.39 73.165,53.39 72.775,53 72.775,51.775 72.42,51.42 ; 75.887,53.052 U10.1@75.887,53.325 ; U10.2@75.983,52.89 U10.2@76.088,52.95 ; U10.2@76.073,52.967 U10.2@76.088,52.95 ; 76.088,53.223 U10.2@76.088,52.95 ; U10.2@76.3,53.002 U10.1@76.3,53.275
  Bottom Layer w0.381: v1(7.575,58.375) 7.575,58.096 7.605,58.066 7.605,57.568 7.575,57.538 7.575,57.258 R34.2@7.141,56.824 ; R31.2@9.5,51.974 R30.2@7.141,51.974 R32.2@7.141,54.4 ; R33.2@9.5,56.824 R34.2@7.141,56.824 ; v1(27.45,47.525) 27.45,47.775 25.875,49.35 18.625,49.35 14.175,53.8 7.741,53.8 R32.2@7.141,54.4 ; v1(39.7,62.675) 41.259,62.675 R24.1@42.234,61.7 ; R24.1@42.234,61.716 42.234,61.984 43.225,62.975 46.725,62.975 49.475,65.725 v1@54.028,65.725 ; J_V1.1@46.393,78.75 46.393,78.507 48.5,76.4 C48.1@48.5,76.1 U9.6@50.162,76.1 ; 50.563,75.104 53.204,75.104 v1(53.963,75.863) 54.55,75.275 73.4,75.275 v1(73.475,75.2) ; 52.4,71.275 53,71.275 54.75,69.525 v1(55.2,69.525) ; C41.1@54.425,55.4 55.45,55.4 ; C40.1@56.325,55.005 55.93,55.4 55.45,55.4 ; v1(63.225,52.425) 64.282,53.482 R28.2@64.657,53.482 64.475,53.663 64.475,55.275 63.5,56.25 62.625,56.25 62.2,56.675 55.9,56.675 v1(55.675,56.45) 55.695,56.43 55.695,55.645 55.45,55.4 ; 72.42,51.387 v1@72.896,50.911 ; C49.1@72.896,49.638 v1(72.896,50.65) ; R32.2@7.141,54.4 R34.2@7.141,56.824
RA_1_WDI_EXT: U7.98 U8.4 | length 14.9
  Top Layer w0.254: U7.98@54.917,64.434 55.8,63.552 v2(55.8,63.3)
  Bottom Layer w0.254: U8.4@46.525,64.225 46.815,64.515 46.907,64.515 49.885,67.493 53.408,67.493 55.8,65.101 v2(55.8,63.3)
RA_1_XIN: C33.2 U7.13 Y5.1 | length 6.8
  Top Layer w0.254: C33.2@53.093,54.154 54.232,55.293 Y5.1@54.232,55.407 54.376,55.263 56.458,55.263 U7.13@58.453,57.257
RA_1_XOUT: C34.2 U7.14 Y5.2 | length 6
  Top Layer w0.254: C34.2@54.454,52.854 55.593,53.993 Y5.2@55.646,53.993 ; Y5.2@55.771,53.868 U7.14@58.806,56.904
RA_1_XT2IN: C31.1 U7.84 Y4.1 | length 6.2
  Top Layer w0.254: C31.1@57.714,74.65 57.739,74.625 Y4.1@57.739,72.9 58.118,72.521 58.164,72.521 58.729,71.957 58.729,70.522 U7.84@59.867,69.384
RA_1_XT2OUT: C32.1 U7.85 Y4.3 | length 6.4
  Top Layer w0.254: C32.1@53.989,71.15 Y4.3@55.739,71.15 56.112,70.777 56.645,70.777 57.197,70.225 58.314,70.225 58.639,69.9 58.644,69.9 U7.85@59.513,69.031